# Altium PCB FOC500W.PcbDoc
Units mm, origin at the board's own origin, x right, y up, seen from the top; angles counter-clockwise.
Board outline 130 x 49.99 mm, 2 copper layers (Top Layer, Bottom Layer); 69 components, 52 nets, 249 pads, 220 vias.
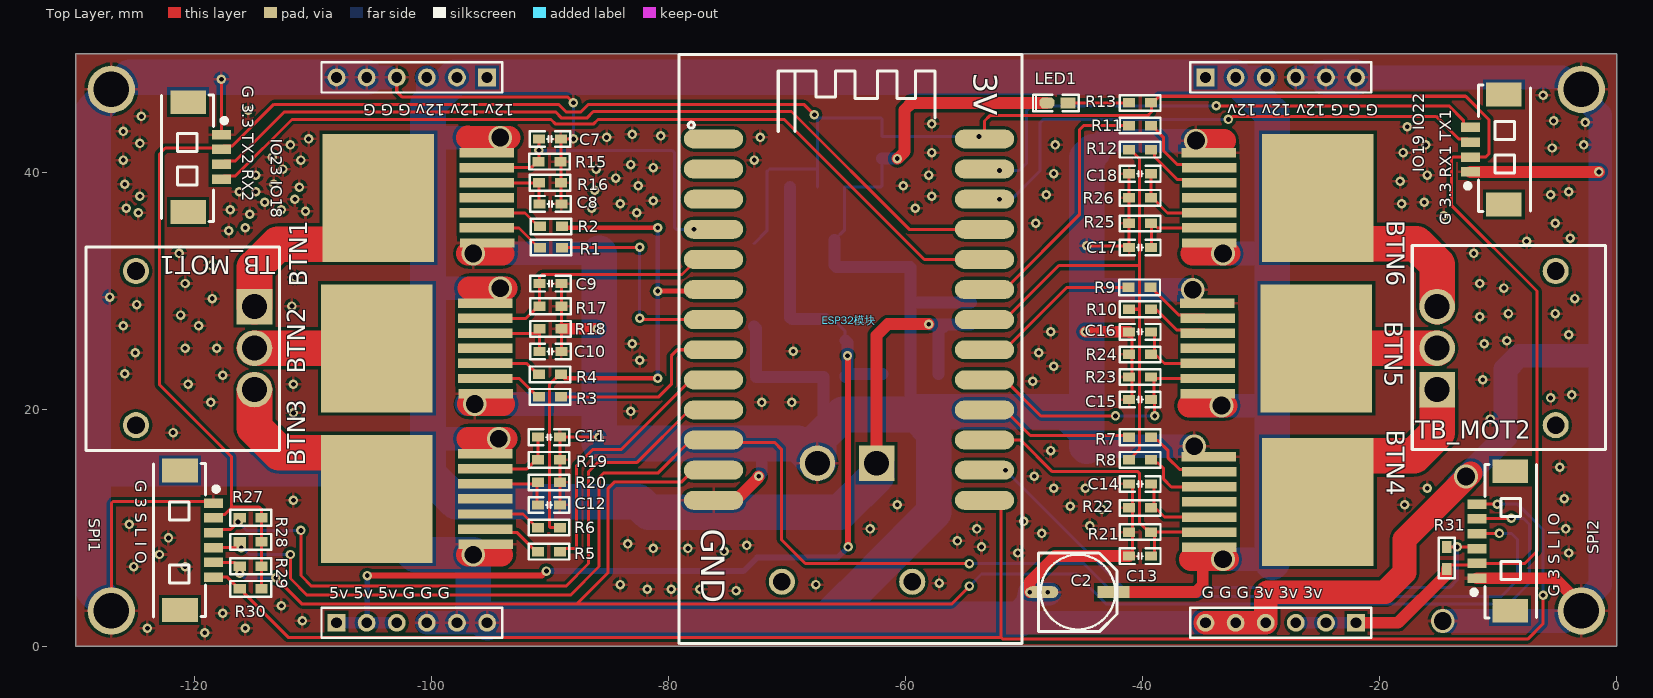
[diagram p0: Top Layer view]
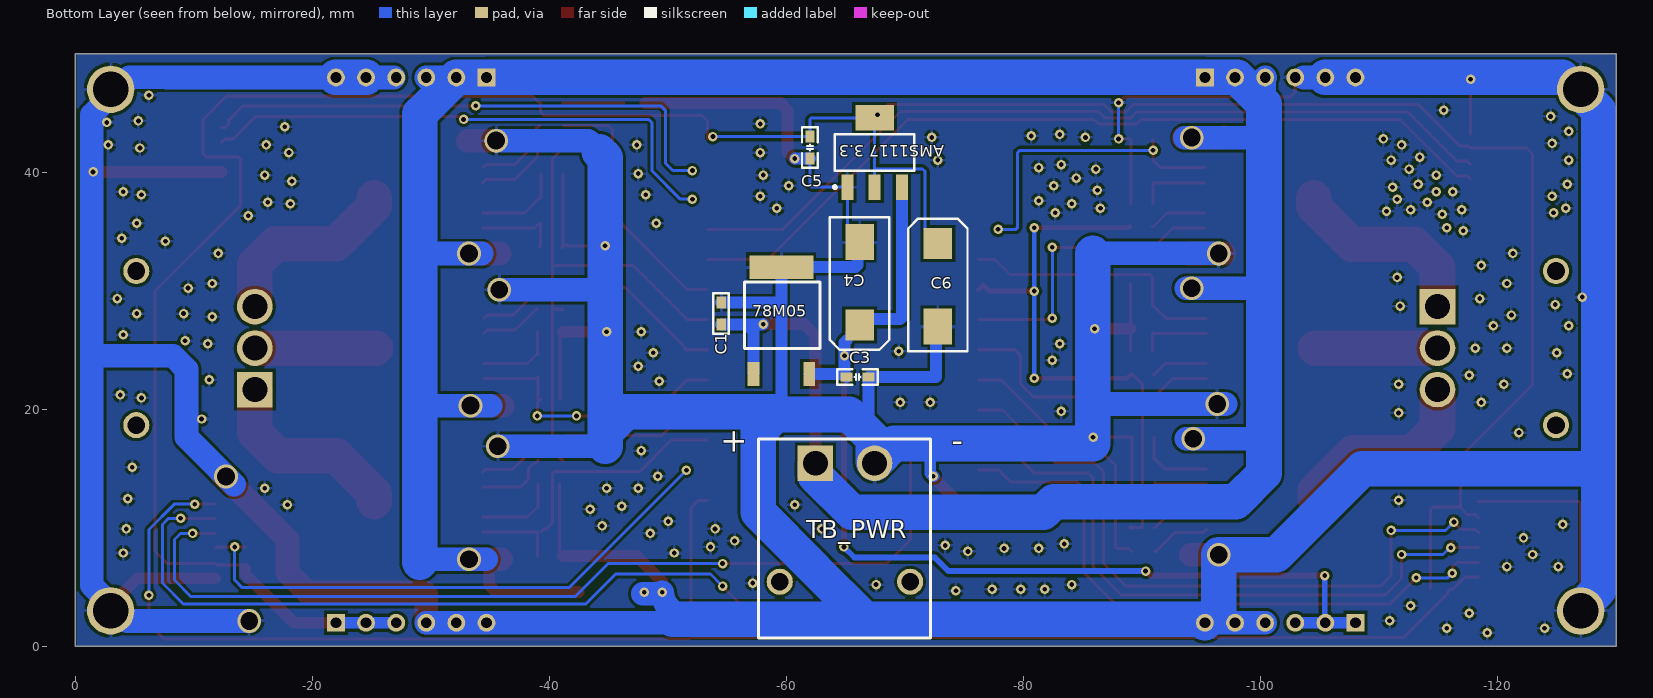
[diagram p1: Bottom Layer view, seen from below]

## Layer stack, top to bottom
Top Solder: solder mask 0.0102, Solder Resist, Dk 3.5
Top Layer: signal copper 0.0356
Dielectric 1: dielectric 0.32, FR-4, Dk 4.8
Bottom Layer: signal copper 0.0356
Bottom Solder: solder mask 0.0102, Solder Resist, Dk 3.5

## Board outline
-130,0 -130,49.987 0,49.987 0,49.911 0,0

## Design rules (kind name [scope] priority, off if disabled: settings)
Clearance [All] p1: gap=0.254 ignorepadtopadclearanceinfootprint=FALSE except(0: Arc-Hole Track-Hole SMDPad-Hole THPad-Hole Via-Hole Fill-Hole Poly-Hole Region-Hole Text-Hole)
PolygonConnect [All] p1: connectstyle=Relief reliefconductorwidth=0.254 reliefentries=4 polygonreliefangle="90 Angle" airgapwidth=0.254
RoutingVias [All] p1: holewidth=0.711 width=1.27 viastyle="Through Hole" minholewidth=0.711 minwidth=1.27 maxholewidth=0.711 maxwidth=1.27
SolderMaskExpansion [All] p1: expansion=0.102 istentingtop=FALSE
Width Width_1 [All] p1: maxlimit=3 minlimit=0.254 preferedwidth=0.254
30 further rules are at their usual default settings.

## Components (designator, comment, footprint, x,y, rotation, side; value= is the part's Value field where it differs from the comment)
"5v 5v 5v G G G" "Header 6" HDR1X6 -108,1.987 r0 top (schematic designator P4)
"12v 12v 12v G G G" "Header 6" HDR1X6 -95.3,47.987 r180 top (schematic designator P1)
78M05 "78M05" TO252 -57.228,22.974 r180 bottom
"AMS1117 3.3" "AMS1117 3.3" SOT223 -65.137,38.735 r90 bottom
BTN1 "BTN8982" BTN8982 -104.473,37.833 r180 top
BTN2 "BTN8982" BTN8982 -104.6,25.133 r180 top
BTN3 "BTN8982" BTN8982 -104.6,12.433 r180 top
BTN4 "BTN8982" BTN8982 -25.225,12.179 r0 top
BTN5 "BTN8982" BTN8982 -25.346,25.133 r0 top
BTN6 "BTN8982" BTN8982 -25.225,37.833 r0 top
C1 "104" "R 0603_M" -54.483,28.067 r270 bottom
C2 "100uF" "CM D(6.3*7.7)" -45.466,4.572 r0 top
C3 "104" "C 0603_M" -65.992,22.72 r0 bottom
C4 "100uF" C7343-D -66.167,30.607 r270 bottom
C5 "104" "C 0603_M" -61.976,42.075 r90 bottom
C6 "100uF" C7343-D -72.771,30.48 r90 bottom
C7 "Cap Semi" "C 0603_M" -89.995,42.786 r180 top value=1nF
C8 "Cap Semi" "C 0603_M" -89.957,37.325 r180 top value=100nF
C9 "Cap Semi" "C 0603_M" -89.957,30.594 r180 top value=1nF
C10 "Cap Semi" "C 0603_M" -89.957,24.879 r180 top value=100nF
C11 "Cap Semi" "C 0603_M" -90.084,17.64 r180 top value=1nF
C12 "Cap Semi" "C 0603_M" -90.084,11.925 r180 top value=100nF
C13 "Cap Semi" "C 0603_M" -40.211,7.607 r0 top value=1nF
C14 "Cap Semi" "C 0603_M" -40.211,13.703 r0 top value=100nF
C15 "Cap Semi" "C 0603_M" -40.211,20.815 r0 top value=1nF
C16 "Cap Semi" "C 0603_M" -40.211,26.53 r0 top value=100nF
C17 "Cap Semi" "C 0603_M" -40.211,33.642 r0 top value=1nF
C18 "Cap Semi" "C 0603_M" -40.211,39.865 r0 top value=100nF
ESP32模块 "ESP32" esp32 -76.2,42.799 r270 top
"G 3 S L I O" "MX1.25-6P" MX1.25WS-6P -121.206,8.943 r270 top (schematic designator SPI1)
"G 3.3 RX1 TX1" "MX1.25-4P" MX1.25WS-4P -9.525,41.91 r90 top (schematic designator CK1)
"G 3.3 TX2 RX2" "MX1.25-4P" MX1.25WS-4P -120.523,41.275 r270 top (schematic designator CK2)
"G G G 3v 3v 3v" "Header 6" HDR1X6 -22,1.987 r180 top (schematic designator P3)
"G G G 12v 12v 12v" "Header 6" HDR1X6 -34.7,47.987 r0 top (schematic designator P2)
LED1 "红色" "LED 0603R" -47.196,45.841 r180 top
R1 "Res3" "R 0603_M" -89.919,33.642 r180 top value=10k
R2 "Res3" "R 0603_M" -89.919,35.42 r180 top value=10k
R3 "Res3" "R 0603_M" -89.995,21.044 r180 top value=10k
R4 "Res3" "R 0603_M" -89.995,22.949 r180 top value=10k
R5 "Res3" "R 0603_M" -90.084,7.988 r0 top value=10k
R6 "Res3" "R 0603_M" -90.084,10.02 r180 top value=10k
R7 "Res3" "R 0603_M" -40.211,17.64 r0 top value=10k
R8 "Res3" "R 0603_M" -40.211,15.735 r0 top value=10k
R9 "Res3" "R 0603_M" -40.249,30.283 r0 top value=10k
R10 "Res3" "R 0603_M" -40.211,28.435 r0 top value=10k
R11 "Res3" "R 0603_M" -40.211,43.929 r180 top value=10k
R12 "Res3" "R 0603_M" -40.211,41.897 r0 top value=10k
R13 "1K" "R 0603_M" -40.211,45.834 r0 top
R15 "Res3" "R 0603_M" -90.033,40.881 r180 top value=1K
R16 "Res3" "R 0603_M" -89.995,39.103 r180 top value=0.51k
R17 "Res3" "R 0603_M" -89.957,28.689 r180 top value=1K
R18 "Res3" "R 0603_M" -89.957,26.784 r180 top value=0.51k
R19 "Res3" "R 0603_M" -90.084,15.735 r180 top value=1K
R20 "Res3" "R 0603_M" -90.084,13.83 r180 top value=0.51k
R21 "Res3" "R 0603_M" -40.211,9.639 r0 top value=1K
R22 "Res3" "R 0603_M" -40.211,11.671 r0 top value=0.51k
R23 "Res3" "R 0603_M" -40.211,22.72 r0 top value=1K
R24 "Res3" "R 0603_M" -40.211,24.625 r0 top value=0.51k
R25 "Res3" "R 0603_M" -40.211,35.674 r0 top value=1K
R26 "Res3" "R 0603_M" -40.211,37.833 r0 top value=0.51k
R27 "Res3" "R 0603_M" -115.237,10.848 r180 top value=3.3K
R28 "Res3" "R 0603_M" -115.237,8.816 r180 top value=3.3K
R29 "Res3" "R 0603_M" -115.237,6.759 r180 top value=3.3K
R30 "Res3" "R 0603_M" -115.237,4.854 r180 top value=3.3K
R31 "Res3" "R 0603_M" -14.351,7.455 r90 top value=3.3K
SPI2 "MX1.25-6P" MX1.25WS-6P -9,8.882 r90 top
TB_MOT1 "TB002-500-03BE" mr30pw-mz -114.92,25.156 r0 top
TB_MOT2 "TB002-500-03BE" mr30pw-mz -15.159,25.156 r180 top
TB_PWR "TB002-500-02BE" "pin2 mr30pw-mz" -67.437,15.448 r90 bottom

## Footprints (in the part's own frame and the unit in brackets; to place one, negate y for a bottom-side part, rotate by r counter-clockwise, add the part's x,y. Pads: shape width x height; smd on the part's side, far side on the other; paste and mask are expansions set on the pad)
BTN8982 [mm] "Infineon BTN8982TA"
  rect 4.6x0.8 smd: 1(-9.2,3.81) 2(-9.15,2.54) 3(-9.15,1.27) 4(-9.15,0) 5(-9.15,-1.27) 6(-9.15,-2.54) 7(-9.15,-3.81)
  rect 9.4x10.8 smd: 8(0,0)
  body extent -10.77,-4.97 4.18,5.03, height 4.4
C7343-D [mm]
  rect 2.6x2.4 smd: 1(3.5,0)
  rect 3x2.4 smd: 2(-3.5,0)
  silkscreen extent -5.6,-2.5 5.6,2.5, body extent -3.8,-2.3 3.8,2.3, height 3.1
"C 0603_M" [mil] "无极性贴片电容"
  rect 40x30 smd: 1(-36.5,0) 2(36.5,0)
  silkscreen extent -68,-26 67,26, body extent -31,-16 31,16, height 32
"CM D(6.3*7.7)" [mm] "贴片电解电容，直径6.3mm，高7.7mm"
  rect 2.7x1 smd: 1(3,0)
  oval 2.7x1 smd: 2(-3,0)
  silkscreen extent -3.3,-3.3 3.3,3.3, body extent -3.5,-3.3 3.5,3.3, height 7.7
esp32 [mm]
  oval 1.6x5 smd: 1(0,0) 2(2.54,0) 3(5.08,0) 4(7.62,0) 5(10.16,0) 6(12.7,0) 7(15.24,0) 8(17.78,0) 9(20.32,0) 10(22.86,0) 11(25.4,0) 12(27.94,0) 13(30.48,0) 14(0,22.86) 15(2.54,22.86) 16(5.08,22.86) 17(7.62,22.86) 18(10.16,22.86) 19(12.7,22.86) 20(15.24,22.86) 21(17.78,22.86) 22(20.32,22.86) 23(22.86,22.86) 24(25.4,22.86) 25(27.94,22.86) 26(30.48,22.86)
  silkscreen extent -7.11,-2.92 42.55,26.04, body extent -7.11,-2.92 42.55,26.04, height 7.55
HDR1X6 [mm] "Connector; Header; 6 Position"
  rect 1.5x1.5 hole 0.9: 1(0,0)
  round 1.5 hole 0.9: 2(2.54,0) 3(5.08,0) 4(7.62,0) 5(10.16,0) 6(12.7,0)
  silkscreen extent -1.27,-1.27 13.97,1.27
"LED 0603R" [mil] "红色0603LED"
  rect 50x35 smd: 1(-35,0.26)
  oct 50x35 smd: 2(35,0.26)
  silkscreen extent -71,-28 81,28, body extent -31,-16 31,16, height 24
mr30pw-mz [mm]
  round 2.2 hole 1.5: 0(-10,-6.5) 0(-10,6.5)
  rect 3x3 hole 2.1: 1(0,3.5)
  round 3 hole 2.1: 2(0,0) 3(0,-3.5)
  silkscreen extent -14.2,-8.65 2.1,8.55, body extent -13.59,-8.01 0.9,8.01, height 5.2
MX1.25WS-4P [mm]
  rect 2x3 smd: 0(-4.632,0) 0(4.632,0)
  rect 0.8x1.6 smd: 1(-1.889,2.811) 2(-0.639,2.811) 3(0.611,2.811) 4(1.861,2.811)
  silkscreen extent -5.23,-2.23 5.45,3.25, body extent -5.15,-1.96 5,3.23, height 3.4
MX1.25WS-6P [mm]
  rect 2x3 smd: 0(-5.882,0) 0(5.882,0)
  rect 0.8x1.6 smd: 1(-3.139,2.811) 2(-1.889,2.811) 3(-0.639,2.811) 4(0.611,2.811) 5(1.861,2.811) 6(3.111,2.811)
  silkscreen extent -6.48,-2.23 6.45,3.25, body extent -6.25,-2.21 6.4,2.98, height 3.4
"pin2 mr30pw-mz" [mm]
  round 2.2 hole 1.5: 0(-10,-3) 0(-10,8)
  rect 3x3 hole 2.1: 1(0,5)
  round 3 hole 2.1: 2(0,0)
  silkscreen extent -14.73,-4.7 2.03,9.78, body extent -14,-4.11 1.01,9.19, height 5.1
"R 0603_M" [mil] "1/10W贴片电阻"
  rect 40x31.5 smd: 1(-36.5,0) 2(36.5,0)
  silkscreen extent -68,-26 67,26, body extent -31,-16 31,16, height 16
SOT223 [mm]
  rect 2.15x1 smd: 1(0,0) 2(0,-2.3) 3(0,-4.6)
  rect 2.15x3.25 smd: 2(5.85,-2.3)
  silkscreen extent -0.12,-5.65 4.47,1.18, body extent -0.56,-5.54 6.4,0.96, height 1.7
TO252 [mm]
  rect 1x2 smd: 1(0,0) 3(4.7,0)
  rect 5.4x2 smd: 2(2.35,9)
  silkscreen extent -0.76,2.16 5.59,7.75, body extent -0.88,-0.39 5.7,9.31, height 2.4

## Part data
"5v 5v 5v G G G" "12v 12v 12v G G G" "G G G 3v 3v 3v" "G G G 12v 12v 12v": "Header, 6-Pin", LatestRevisionDate=17-Jul-2002, LatestRevisionNote="Re-released for DXP Platform.", Publisher="Altium Limited"
78M05: library part 78Mxx, "线性稳压芯片", BOM名称=线性稳压芯片, 版权归属=源创客, 学习资源=www.ooocke.com
"AMS1117 3.3": library part LM317, "可调线性稳压芯片", BOM名称=可调线性稳压芯片, 版权归属=源创客, 学习资源=www.ooocke.com
C1 C3 C5: library part C, "无极性贴片电容", BOM名称=无极性贴片电容, 版权归属=源创客, 材质=X7R, 学习资源=www.ooocke.com
C2: library part C-CT, "贴片固态电容", BOM名称=贴片固态电容, 版权归属=源创客, 学习资源=www.ooocke.com
C4 C6: library part C-CD, "贴片钽电容", BOM名称=贴片钽电容, 版权归属=源创客, 学习资源=www.ooocke.com
C7 C8 C9 C10 C11 C12 C13 C14 C15 C16 C17 C18: "Capacitor (Semiconductor SIM Model)", LatestRevisionDate=29-May-2009, LatestRevisionNote="IPC-7351 Footprint Added.", PackageDescription="Chip Capacitor", Published=8-Jun-2000, Publisher="Altium Limited"
  C7 C9 C11 C13 C15 C17: PackageReference=C0603
  C8 C10 C12 C14 C16 C18: PackageReference=C1206
LED1: library part LED-F234, "方形LED", BOM名称=方形LED, 版权归属=源创客, 学习资源=www.ooocke.com
R1 R2 R3 R4 R5 R6 R7 R8 R9 R10 R11 R12 R15 R16 R17 R18 R19 R20 R21 R22 R23 R24 R25 R26 R27 R28 R29 R30 R31: "Resistor", LatestRevisionDate=29-May-2009, LatestRevisionNote="IPC-7351 Footprint Added.", PackageDescription="Chip Resistor", PackageReference=J1-0603, Published=8-Jun-2000, Publisher="Altium Limited"
R13: library part R, "贴片电阻", BOM名称=贴片电阻, 版权归属=源创客, 学习资源=www.ooocke.com
TB_MOT1 TB_MOT2: Supplier Part Number 1=490-TB002-500-03BE, Supplier 1=Mouser
TB_PWR: Supplier Part Number 1=490-TB002-500-02BE, Supplier 1=Mouser
BTN1 BTN2 BTN3 BTN4 BTN5 BTN6: Supplier 1=RSComponents

## Free pads (board coordinates)
  round 4 hole 3: 9(-127,2.987) 9(-127,46.987) 9(-3,3) 9(-3,46.987)

## Via types
v1: diameter 0.8, hole 0.4, Top Layer to Bottom Layer, 206 vias
v2: diameter 2, hole 1.5, Top Layer to Bottom Layer, 14 vias

## Nets (pads, with @x,y where several pads share a name; then routed paths per layer and width w, separated by ;. In a path a pad name is that pad's centre, name@x,y a point inside that pad or via, vN(x,y) a via of type N, cw(c..) or ccw(c..) an arc to the next point about the centre after c; other vN are vias at no path point)
3.3V: "AMS1117 3.3.2" "G 3 S L I O.2" "G 3.3 RX1 TX1.2" "G 3.3 TX2 RX2.2" "G G G 3v 3v 3v.1" "G G G 3v 3v 3v.2" "G G G 3v 3v 3v.3" C5.2 C6.1 ESP32模块.14 R13.2 R27.1 R28.1 R29.1 R30.1 R31.1 SPI2.2 | length 245
  Top Layer w0.254: -118.395,10.832 -118.122,11.105 -117.454,11.105 -116.809,11.75 -114.523,11.75 -114.31,11.537 R27.1 R28.1 R29.1 R30.1 ; -116.841,11.718 -116.841,15.971 -122.936,22.066 -122.936,41.529 -122.437,42.028 -117.712,42.028 -117.553,42.187 -116.817,42.187 -113.284,45.72 -89.281,45.72 -88.627,45.066 -87.395,45.066 -86.741,45.72 -68.58,45.72 v1(-67.691,44.831) ; ESP32模块.14 -53.34,44.32 -52.894,44.766 -39.562,44.766 -39.246,45.082 R13.2@-39.246,45.834 ; R13.2 R13.2@-39.246,45.834 ; R31.1@-14.351,6.585 -14.078,6.858 -11.946,6.858 SPI2.2 -7.761,6.993 -6.731,8.023 -6.731,29.972 -13.966,37.207 -13.966,41.122 -13.817,41.271 -12.336,41.271 -11.053,41.271 -10.795,41.529 -10.795,44.45 -12.747,46.402 -38.608,46.402 -39.176,45.834 R13.2@-39.246,45.834
  Top Layer w1: -22,1.987 -18.46,1.987 -14.351,6.096 R31.1
  Bottom Layer w0.254: C6.1 -71.698,35.053 -71.698,40.04 -71.479,40.259 -67.437,40.259 ; -67.437,38.735 -67.437,40.259 ; v1(-53.797,43.002) C5.2 -61.976,44.436 -62.125,44.585 -67.437,44.585 -67.437,40.259
  Bottom Layer w1: -27.08,1.987 -24.54,1.987 -22,1.987
+5: 78M05.3 "5v 5v 5v G G G.1" "5v 5v 5v G G G.2" "5v 5v 5v G G G.3" "AMS1117 3.3.3" C3.2 C4.1 | length 89.2
  Top Layer w0.5: v1(-105.41,5.969) -90.678,5.969 v1(-90.297,6.35) ; v1(-64.848,8.382) v1@-64.848,24.511
  Bottom Layer w0.254: -69.737,27.75 -69.588,27.601 ; C4.1@-66.773,27.601 C4.1@-66.704,27.671 ; C4.1@-65.992,27.475 -65.094,26.577 -65.094,25.814 -65.065,25.785
  Bottom Layer w0.5: -105.41,2.037 v1(-105.41,5.969) ; v1(-90.297,6.35) -73.66,6.35 -72.517,7.493 -65.737,7.493 v1(-64.848,8.382)
  Bottom Layer w1: -108,1.987 -105.46,1.987 ; -105.41,2.037 -105.46,1.987 ; -102.92,2.122 -102.92,1.987 -105.46,1.987 ; -69.737,27.75 -69.737,38.735 ; -69.588,27.601 C4.1@-66.773,27.601 ; C3.2 -65.065,22.831 -64.897,22.999 v1(-64.897,24.511) -64.897,25.617 -65.065,25.785 ; C3.2@-64.811,22.974 78M05.3
A0: BTN1.6 C7.2 ESP32模块.4 R15.2 | length 26
  Top Layer w0.254: BTN1.6 -91.576,40.373 -91.068,40.881 R15.2 -90.922,40.919 v1(-90.922,41.853) C7.2
  Bottom Layer w0.254: v1(-90.922,41.853) -90.914,41.844 -79.69,41.844 -79.502,41.656 -79.502,35.328 -79.353,35.179 v1(-77.851,35.179)
A1: BTN2.6 C9.2 ESP32模块.5 R17.2 | length 22.7
  Top Layer w0.254: BTN2.6 -92.008,27.673 -90.992,28.689 R17.2 C9.2 -90.884,31.141 -90.656,31.369 -78.867,31.369 -77.597,32.639 ESP32模块.5
A2: BTN4.6 C13.2 ESP32模块.24 R21.2 | length 26.4
  Top Layer w0.254: ESP32模块.24 -50.292,17.399 -47.625,14.732 -40.408,14.732 -40.249,14.573 -40.249,10.404 -39.757,9.912 -39.557,9.912 R21.2 ; C13.2@-38.992,7.607 -38.992,9.639 BTN4.6
A3: BTN5.6 C15.2 ESP32模块.22 R23.2 | length 23.6
  Top Layer w0.254: ESP32模块.22 -51.64,22.479 -48.592,19.431 v1(-42.291,19.431) ; C15.2 -39.243,20.815 -38.989,20.561 v1(-38.989,19.431) ; C15.2@-39.03,20.815 -39.03,22.72 -38.903,22.593 BTN5.6
  Bottom Layer w0.254: v1(-42.291,19.431) v1(-38.989,19.431)
GND: 78M05.2 "5v 5v 5v G G G.4" "5v 5v 5v G G G.5" "5v 5v 5v G G G.6" "12v 12v 12v G G G.4" "12v 12v 12v G G G.5" "12v 12v 12v G G G.6" "AMS1117 3.3.1" "G 3 S L I O.1" "G 3.3 RX1 TX1.1" "G 3.3 TX2 RX2.1" "G G G 3v 3v 3v.4" "G G G 3v 3v 3v.5" "G G G 3v 3v 3v.6" "G G G 12v 12v 12v.4" "G G G 12v 12v 12v.5" "G G G 12v 12v 12v.6" BTN1.1 BTN2.1 BTN3.1 BTN4.1 BTN5.1 BTN6.1 C1.1 C2.2 C3.1 C4.2 C5.1 C6.2 C7.1 C8.1 C9.1 C10.1 C11.1 C12.1 C13.1 C14.1 C15.1 C16.1 C17.1 C18.1 ESP32模块.13 LED1.2 pad.9 R15.1 R16.1 R17.1 R18.1 R19.1 R20.1 R21.1 R22.1 R23.1 R24.1 R25.1 R26.1 SPI2.1 TB_PWR.2 | length 682.9
  Top Layer w0.254: pad.9@-127,2.987 -127,12.06 -126.851,12.209 -118.333,12.209 ; -117.712,43.164 v1(-117.712,47.83) ; -102.92,47.987 -102.92,46.786 -102.489,46.355 -88.519,46.355 v1(-88.011,45.847) ; C12.1@-89.195,11.925 -89.157,11.963 R20.1 R19.1 C11.1 v1(-85.865,17.64) ; C10.1 R18.1 R17.1 C9.1 ; C8.1 -89.068,37.363 C7.1 -89.081,42.799 v1(-88.011,42.799) ; v1(-44.704,33.782) -41.532,33.782 -41.405,33.909 C17.1 -41.011,33.642 -41.138,33.769 R26.1@-41.138,37.719 ; R26.1 R26.1@-41.138,37.719 ; C18.1 R26.1@-41.138,37.719 ; C14.1@-40.884,13.703 -40.846,13.665 -40.846,11.671 C13.1@-40.846,7.607 ; C15.1@-40.884,20.815 C16.1@-40.884,26.492 ; -33.147,42.659 -32.525,42.659
  Top Layer w1: R18.1 v1(-85.992,26.784) ; ESP32模块.13 -74.338,12.319 -72.39,14.267 v1(-72.39,14.351) ; TB_PWR.2@-67.437,15.144 TB_PWR.2 ; v1(-60.706,41.148) -60.67,41.148 -60.084,41.734 -60.084,45.248 -59.498,45.834 LED1.2 ; v1(-49.53,4.572) -49.53,5.461 -47.384,7.607 C13.1 ; v1(-44.831,26.543) -41.151,26.543 C16.1 ; -12.336,40.021 v1(-1.508,40.021) ; SPI2.1 -5.235,5.743 -3,3.508 pad.9@-3,3
  Top Layer w2: v2@-96.901,7.734 v2(-96.472,7.734) -94.107,7.734 ; v2@-96.901,33.134 v2(-96.472,33.134) -93.993,33.134 ; v2@-96.853,20.434 v2(-96.345,20.434) -93.932,20.434 ; v2(-35.512,42.659) -33.147,42.659 ; -34.7,1.987 -32.16,1.987 -29.62,1.987 -29.62,4.416 -29.464,4.572 -19.558,4.572 -17.907,6.223 -17.907,9.017 v2@-12.319,14.605
  Bottom Layer w0.254: v1(-88.011,42.799) v1(-88.011,45.847) ; C4.2 -65.992,34.282 -65.137,35.137 -65.137,38.735 -62.125,38.735 -61.976,38.884 C5.1 ; -65.992,32.153 -65.843,32.004 ; 78M05.2@-59.608,32.004 78M05.2 ; v1(-17.675,43.837) v1@-17.653,43.859
  Bottom Layer w1: C6.2 -72.622,26.831 -72.622,22.72 C3.1 -66.919,17.917 ; v1(-72.39,14.351) -72.136,14.605 -72.136,17.111 ; -65.992,32.153 C4.2@-65.992,34.282 ; -65.843,32.004 78M05.2@-59.608,32.004 ; C5.1 v1(-60.706,41.148) ; 78M05.2 -59.578,28.956 ; -59.367,19.799 -59.578,20.01 -59.578,28.956 ; C1.1 -59.54,28.994 -59.578,28.956
  Bottom Layer w2: -105.46,47.987 -103.634,47.987 ; -100.38,1.987 -97.84,1.987 -96.472,1.987 ; v2@-97.028,20.434 v2(-96.345,20.434) -86.152,20.434 -86.025,20.561 ; v2(-96.472,33.134) -96.459,33.147 -85.852,33.147 ; -51.069,2.273 -50.116,3.226 ccw(c-51.529,4.641) v1(-49.53,4.572) ; -50.398,2.273 -50.112,1.987 -34.7,1.987 -32.16,1.987 -29.62,1.987 ; -49.149,4.445 -49.146,4.445 v1@-47.879,4.445 ; -44.704,16.878 v2(-35.639,16.878) ; -44.704,30.086 v2(-35.766,30.086) ; -44.196,41.722 -43.259,42.659 v2(-35.512,42.659) ; -26.866,47.987 -24.54,47.987 ; -22,47.987 -7.747,47.987 -7.728,48.006 -4.56,48.006 -3.541,46.987 -3,46.987 -3,46.446 -1.397,44.843 -1.397,24.511 ; v2(-14.684,2.146) -4.395,2.146 -1.397,5.144 -1.397,24.511 ; v2@-13.399,13.652 -9.398,17.653 -9.398,23.368 -8.255,24.511 -1.397,24.511
  Bottom Layer w3: pad.9@-127,2.987 -127,3.258 -128.524,4.782 -128.524,14.986 ; pad.9@-127,46.987 -127,46.716 -128.524,45.192 -128.524,14.986 ; pad.9@-125.459,47.987 -108,47.987 -105.46,47.987 ; -95.3,1.987 -96.472,3.159 v2(-96.472,7.734) -101.333,7.734 -108.585,14.986 -128.524,14.986 ; -94.694,2.273 -66.627,2.273 ; -85.852,30.395 -85.852,17.111 -72.136,17.111 -69.1,17.111 TB_PWR.2 -67.31,15.575 -67.31,17.526 -66.919,17.917 -65.278,19.558 -59.126,19.558 ; -85.852,30.509 -85.852,33.147 ; -50.398,2.273 -51.069,2.273 -66.627,2.273 ; -44.704,16.878 -44.704,18.042 ; -44.196,41.722 -44.704,41.214 v1(-44.704,33.782) -44.704,30.086 -44.704,18.042 ; -24.54,47.987 -22,47.987 ; -66.627,2.273 -62.291,6.609 -62.291,6.63 -57.61,11.311 -57.61,18.042 -59.126,19.558 ; -59.126,19.558 -59.367,19.799 -46.461,19.799 -44.704,18.042
  other v1: -119.126,1.143 -123.952,1.524 -115.697,1.524 -110.871,2.159 -117.602,2.794 -112.649,3.429 -48.006,4.572 -74.295,4.699 -81.788,4.826 -79.756,4.826 -77.343,4.826 -84.074,5.207 -67.564,5.207 -57.15,5.334 -125.095,6.731 -120.777,6.731 -122.936,7.747 -50.546,7.874 -4.064,7.874 -75.311,8.001 -81.28,8.255 -78.359,8.255 -53.594,8.382 -73.406,8.509 -83.439,8.636 -55.626,8.89 -122.174,9.144 -48.514,9.525 -62.992,9.906 -53.975,9.906 -4.318,9.906 -44.45,10.16 -125.476,10.287 -50.038,10.541 -43.434,11.557 -46.101,11.811 -60.706,11.938 -17.907,11.938 -111.633,12.319 -4.445,12.446 -47.498,13.335 -44.831,13.335 -16.002,13.335 -49.149,14.351 -4.826,15.113 -47.752,16.51 -121.793,18.034 -10.668,19.177 -111.633,19.685 -83.185,19.812 -118.618,20.574 -72.136,20.574 -69.596,20.574 -5.588,20.955 -3.81,21.209 -120.523,22.098 -111.633,22.098 -49.276,22.352 -11.303,22.479 -117.602,22.86 -125.857,22.987 -47.498,23.622 -82.423,24.13 -124.968,24.765 -48.768,24.765 -69.469,24.892 -120.777,25.146 -118.11,25.146 -83.058,25.527 -11.176,25.527 -9.271,25.781 -4.064,26.289 -47.752,26.543 -125.984,27.051 -119.634,27.051 -11.557,27.813 -121.158,27.94 -9.144,28.067 -5.207,28.067 -111.76,28.702 -124.841,28.829 -118.491,29.337 -3.556,29.337 -127.127,29.464 -9.525,30.226 -120.777,30.607 -11.557,30.607 -111.506,31.115 -118.618,32.131 -121.285,33.147 -12.065,33.147 -7.62,34.163 -3.937,34.417 -117.094,35.052 -115.697,35.306 -49.022,35.687 -5.207,35.687 -14.605,36.322 -115.316,36.449 -124.714,36.576 -82.677,36.576 -110.617,36.703 -116.967,36.83 -112.649,36.83 -125.73,36.957 -86.487,36.957 -59.182,36.957 -84.074,37.338 -18.161,37.338 -114.046,37.465 -16.256,37.465 -81.28,37.592 -111.506,37.719 -124.587,37.973 -57.785,37.973 -48.133,38.1 -5.588,38.1 -116.205,38.354 -114.808,38.354 -4.064,38.354 -86.233,38.481 -111.125,38.735 -82.55,38.862 -60.198,38.862 -125.857,38.989 -113.284,38.989 -18.288,39.243 -84.455,39.497 -114.808,39.751 -58.039,39.751 -16.002,39.751 -47.498,39.878 -112.522,40.259 -86.106,40.259 -81.28,40.386 -83.185,40.64 -125.984,41.021 -110.998,41.021 -72.771,41.021 -113.411,41.275 -57.785,41.656 -18.034,41.656 -5.461,42.037 -111.887,42.291 -47.371,42.291 -16.129,42.291 -2.794,42.291 -124.587,42.418 -110.363,42.799 -85.217,42.926 -72.263,42.926 -80.645,43.053 -83.058,43.18 -125.984,43.434 -57.785,44.069 -2.667,44.196 -5.334,44.323 -124.46,44.704 -115.443,45.212 -6.223,46.482
  other v2: -12.731,14.328
M1in1: ESP32模块.7 R1.1 | length 19.1
  Top Layer w0.254: R1.1 v1@-82.182,33.642 ; v1(-82.423,27.686) -82.296,27.559 ESP32模块.7
  Bottom Layer w0.254: v1(-82.423,27.686) v1(-82.423,33.655)
M1in2: ESP32模块.8 R3.1 | length 15.9
  Top Layer w0.254: R3.1 -80.81,21.044 -79.756,22.098 -79.756,24.511 -79.248,25.019 ESP32模块.8
M1in3: ESP32模块.9 R5.2 | length 23
  Top Layer w0.254: R5.2 -88.884,8.261 -87.9,8.261 -87.751,8.41 -87.751,15.246 -86.372,16.625 -83.959,16.625 -78.105,22.479 ESP32模块.9
M1inh: ESP32模块.6 R2.1 R4.1 R6.1 | length 49.3
  Top Layer w0.254: R6.1 -89.973,10.02 -90.046,10.093 -90.046,19.739 -90.026,19.758 -90.026,22.098 -89.176,22.949 R4.1
  Top Layer w0.4: R6.1 R6.1@-89.049,10.02 ; R4.1 -88.725,22.606 v1(-80.899,22.606) ; R2.1 -88.878,35.306 v1(-80.899,35.306) ; v1(-80.899,29.972) -77.089,29.972 -76.581,30.48 ESP32模块.6
  Bottom Layer w0.4: v1(-80.899,22.606) -80.899,30.353 v1(-80.899,29.972) v1(-80.899,35.306)
M1out1: BTN1.8 TB_MOT1.1 | length 16.6
  Top Layer w3: TB_MOT1.1 -114.92,31.958 -112.945,33.933 -107.673,33.933 -104.473,37.133 BTN1.8
M1out2: BTN2.8 TB_MOT1.2 | length 10.3
  Top Layer w3: TB_MOT1.2 -104.623,25.156 BTN2.8
M1out3: BTN3.8 TB_MOT1.3 | length 16.4
  Top Layer w3: TB_MOT1.3 -114.92,18.435 -112.818,16.333 -107.8,16.333 -104.6,13.133 BTN3.8
M2in1: ESP32模块.23 R7.1 | length 13
  Top Layer w0.254: ESP32模块.23 -51.64,19.939 -49.481,17.78 -41.386,17.78 R7.1@-41.246,17.64
M2in2: ESP32模块.21 R9.1 | length 14.5
  Top Layer w0.254: ESP32模块.21 -51.435,25.019 -51.435,25.224 -46.376,30.283 R9.1
M2in3: ESP32模块.19 R11.2 | length 22.1
  Top Layer w0.254: ESP32模块.19 -51.64,30.099 -45.339,36.4 -45.339,43.561 -44.971,43.929 R11.2
M2inh: ESP32模块.20 R8.1 R10.1 R12.1 | length 42.9
  Top Layer w0.254: ESP32模块.20 -51.562,27.559 -51.562,27.637 -47.068,32.131 -40.249,32.131 ; R8.1 -41.03,15.735 -40.757,16.008 -40.757,16.116 -40.598,16.275 -40.598,16.291 -40.249,16.64 -40.249,28.435 ; R10.1 -40.249,28.435 ; R12.1 -41.03,41.897 -40.259,41.126 -40.259,40.414 -40.249,40.404 -40.249,32.131 ; -40.249,28.435 -40.249,32.131
M2out1: BTN4.8 TB_MOT2.1 | length 16.5
  Top Layer w3: BTN4.8 -25.225,12.879 -22.025,16.079 -17.113,16.079 -15.159,18.033 TB_MOT2.1
M2out2: BTN5.8 TB_MOT2.2 | length 10.2
  Top Layer w3: BTN5.8 -25.323,25.156 TB_MOT2.2
M2out3: BTN6.8 TB_MOT2.3 | length 16.3
  Top Layer w3: BTN6.8 -25.225,37.169 -22.025,33.969 -16.916,33.969 -15.159,32.212 TB_MOT2.3
MISO: "G 3 S L I O.5" ESP32模块.12 R29.2 SPI2.5 | length 145.8
  Top Layer w0.254: -118.395,7.082 -116.595,7.082 -116.272,6.759 R29.2 -116.174,6.749 v1(-116.174,6.162) ; v1(-113.126,5.781) -110.901,3.556 -87.757,3.556 ; ESP32模块.12 -77.9,14.859 -78.916,13.843 -84.582,13.843 -85.09,13.335 -85.09,6.223 -87.757,3.556 ; v1(-54.61,5.08) -56.134,3.556 -87.757,3.556 ; SPI2.5 -11.759,10.795 v1(-8.89,10.795)
  Bottom Layer w0.254: v1(-116.174,6.162) -115.793,5.781 v1(-113.126,5.781) ; v1(-54.61,5.08) -54.483,5.08 -54.483,5.207 -53.594,6.096 -45.593,6.096 -43.053,3.556 -9.144,3.556 -7.366,5.334 -7.366,10.287 -7.874,10.795 v1(-8.89,10.795)
MOSI: "G 3 S L I O.6" ESP32模块.26 R30.2 SPI2.6 | length 142
  Top Layer w0.254: -118.395,5.832 -117.214,5.832 -116.545,5.162 -116.545,5.127 -116.272,4.854 R30.2 -116.056,4.854 -115.783,4.581 -115.783,4.473 -112.072,0.762 -51.943,0.762 ; ESP32模块.26 -52.565,12.319 -51.943,11.697 -51.943,0.762 ; SPI2.6 v1(-10.088,11.993) ; v1(-6.223,4.318) -6.223,1.905 -7.522,0.606 -51.787,0.606 -51.943,0.762
  Bottom Layer w0.254: v1(-10.088,11.993) -8.354,11.993 -6.223,9.862 v1(-6.223,4.318)
NetBTN1_2: BTN1.2 R1.2 | length 5.2
  Top Layer w0.254: BTN1.2 -92.605,35.293 -90.954,33.642 R1.2
NetBTN1_3: BTN1.3 R2.2 | length 5
  Top Layer w0.254: BTN1.3 -92.097,36.563 -90.954,35.42 R2.2
NetBTN1_5: BTN1.5 C8.2 R16.2 | length 6.2
  Top Layer w0.254: BTN1.5 R16.2 -90.922,37.363 C8.2
NetBTN2_2: BTN2.2 R3.2 | length 5.2
  Top Layer w0.254: BTN2.2 -92.579,22.593 -91.03,21.044 R3.2
NetBTN2_3: BTN2.3 R4.2 | length 4.9
  Top Layer w0.254: BTN2.3 -91.944,23.863 -91.03,22.949 R4.2
NetBTN2_5: BTN2.5 C10.2 R18.2 | length 6.1
  Top Layer w0.254: BTN2.5 -90.897,26.403 -90.884,26.416 C10.2
NetBTN3_2: BTN3.2 R5.1 | length 5.2
  Top Layer w0.254: BTN3.2 -95.177,9.62 -92.789,9.62 -91.157,7.988 R5.1@-91.049,7.988
NetBTN3_3: BTN3.3 R6.2 | length 4.9
  Top Layer w0.254: BTN3.3 -92.262,11.163 -91.119,10.02 R6.2
NetBTN3_5: BTN3.5 C12.2 R20.2 | length 6.3
  Top Layer w0.254: BTN3.5 -91.214,13.703 -91.087,13.83 -91.087,11.963 C12.2@-91.049,11.925
NetBTN3_6: BTN3.6 C11.2 R19.2 | length 6.6
  Top Layer w0.254: BTN3.6 -91.919,14.973 -91.157,15.735 -91.049,15.735 -91.011,15.773 C11.2
NetBTN4_2: BTN4.2 R7.2 | length 6.2
  Top Layer w0.254: R7.2@-39.03,17.494 -38.903,17.367 -38.703,17.367 -37.846,16.51 -37.846,15.875 -36.898,14.927 -34.583,14.927 BTN4.2
NetBTN4_3: BTN4.3 R8.2 | length 6.2
  Top Layer w0.254: R8.2@-39.03,15.735 -39.03,15.589 -38.903,15.462 -38.703,15.462 -38.227,14.986 -38.227,14.097 -37.579,13.449 BTN4.3
NetBTN4_5: BTN4.5 C14.2 R22.2 | length 7
  Top Layer w0.254: C14.2@-39.03,13.703 -39.03,11.671 -38.922,11.671 -38.16,10.909 BTN4.5
NetBTN5_2: BTN5.2 R9.2 | length 6
  Top Layer w0.254: R9.2 -39.214,30.283 -38.941,30.01 -38.941,29.924 -36.963,27.946 -34.769,27.946 BTN5.2
NetBTN5_3: BTN5.3 R10.2 | length 5.3
  Top Layer w0.254: R10.2@-38.992,28.435 -38.884,28.435 -37.125,26.676 -34.769,26.676 BTN5.3
NetBTN5_5: BTN5.5 C16.2 R24.2 | length 6.8
  Top Layer w0.254: C16.2@-38.992,26.53 -38.992,24.663 -39.03,24.625 -38.922,24.625 -38.16,23.863 BTN5.5
NetBTN6_2: BTN6.2 R11.1 | length 7.1
  Top Layer w0.254: R11.1@-39.246,43.929 -39.138,43.929 -38.865,43.656 -38.865,43.548 -38.227,42.91 -38.227,41.783 -37.09,40.646 -34.648,40.646 BTN6.2
NetBTN6_3: BTN6.3 R12.2 | length 6.2
  Top Layer w0.254: R12.2@-39.246,41.897 -38.989,41.64 -38.989,41.275 -37.09,39.376 -34.648,39.376 BTN6.3
NetBTN6_5: BTN6.5 C18.2 R26.2 | length 7.5
  Top Layer w0.254: C18.2 R26.2 -39.176,37.833 -37.906,36.563 BTN6.5
NetBTN6_6: BTN6.6 C17.2 R25.2 | length 7.1
  Top Layer w0.254: C17.2@-39.157,33.642 -39.246,33.731 -39.246,35.674 -39.138,35.674 -38.757,35.293 BTN6.6
NetLED1_1: LED1.1 R13.1 | length 5.2
  Top Layer w0.254: LED1.1 R13.1@-41.1,45.834
RX1: "G 3.3 RX1 TX1.3" ESP32模块.16 | length 45.9
  Top Layer w0.254: v1(-32.766,44.45) -32.618,44.45 -32.364,44.704 -15.24,44.704 -13.312,42.776 -12.59,42.776 -12.336,42.521
  Bottom Layer w0.254: v1(-52.07,37.719) -51.054,37.719 -48.641,40.132 -48.641,44.196 -48.387,44.45 v1(-32.766,44.45)
RX2: "G 3.3 TX2 RX2.4" ESP32模块.18 | length 71.7
  Top Layer w0.254: -117.712,39.414 -117.439,39.687 -116.523,39.687 -111.76,44.45 -89.916,44.45 -89.516,44.05 -86.336,44.05 -85.936,44.45 -70.231,44.45 -58.42,32.639 ESP32模块.18
SCLK: "G 3 S L I O.4" ESP32模块.11 R28.2 SPI2.4 | length 140.8
  Top Layer w0.254: -118.395,8.332 -118.385,8.321 v1(-116.047,8.321) -116.047,8.699 R28.2 ; v1(-111.887,7.747) -111.887,5.715 -110.49,4.318 -88.265,4.318 -85.852,6.731 -85.852,14.224 -85.471,14.605 -80.899,14.605 -78.105,17.399 ESP32模块.11 -75.975,17.174 -71.022,17.174 -70.485,16.637 -70.485,9.017 -68.453,6.985 v1(-54.61,6.985) ; SPI2.4 -11.779,9.525 v1(-9.906,9.525)
  Bottom Layer w0.254: v1(-116.047,8.321) -115.959,8.321 -115.385,7.747 v1(-111.887,7.747) ; v1(-54.61,6.985) -44.958,6.985 -42.164,4.191 -9.779,4.191 -8.382,5.588 -8.382,9.017 -8.89,9.525 v1(-9.906,9.525)
SS1: "G 3 S L I O.3" ESP32模块.10 R27.2 | length 58.2
  Top Layer w0.254: -118.395,9.582 -118.122,9.855 -116.926,9.855 -116.545,10.236 -116.545,10.575 -116.272,10.848 R27.2 ; v1(-110.998,9.779) -110.998,5.969 -110.109,5.08 -88.646,5.08 -86.741,6.985 -86.741,14.732 -85.979,15.494 -82.677,15.494 -78.232,19.939 ESP32模块.10
  Bottom Layer w0.254: v1(-116.301,10.48) -115.6,9.779 v1(-110.998,9.779)
SS2: ESP32模块.25 R31.2 SPI2.3 | length 48.7
  Top Layer w0.254: v1(-13.462,8.382) R31.2 -11.949,8.382 SPI2.3
  Bottom Layer w0.254: v1(-51.562,14.859) -41.656,4.953 -14.097,4.953 -13.462,5.588 v1(-13.462,8.382)
TX1: "G 3.3 RX1 TX1.4" ESP32模块.15 | length 45.6
  Top Layer w0.254: v1(-33.782,45.593) -14.157,45.593 -12.951,44.387 -12.951,44.044 -12.678,43.771 -12.336,43.771
  Bottom Layer w0.254: v1(-52.07,40.132) -50.419,40.132 -49.784,40.767 -49.784,45.212 -49.403,45.593 v1(-33.782,45.593)
TX2: "G 3.3 TX2 RX2.3" ESP32模块.17 | length 70.8
  Top Layer w0.254: -117.712,40.664 -117.439,40.937 -116.543,40.937 -112.395,45.085 -89.535,45.085 -89.008,44.558 -86.887,44.558 -86.338,45.107 -69.618,45.107 -59.69,35.179 ESP32模块.17
VCC: 78M05.1 "12v 12v 12v G G G.1" "12v 12v 12v G G G.2" "12v 12v 12v G G G.3" "G G G 12v 12v 12v.1" "G G G 12v 12v 12v.2" "G G G 12v 12v 12v.3" BTN1.7 BTN2.7 BTN3.7 BTN4.7 BTN5.7 BTN6.7 C1.2 C2.1 TB_PWR.1 | length 277.5
  Top Layer w1: TB_PWR.1 -62.437,26.242 -61.501,27.178 v1(-58.039,27.178) ; C2.1 -35.511,4.572 -34.925,5.158 -34.925,6.924
  Top Layer w2: -96.927,42.926 -96.914,42.913 v2(-94.186,42.913) v2@-93.472,42.913 ; -96.888,17.513 v2(-94.313,17.513) v2@-93.726,17.513 ; -96.787,30.213 v2(-94.186,30.213) v2@-93.726,30.213 ; -36.068,20.307 v2(-33.353,20.307) v2@-33.02,20.307 ; -35.928,7.353 v2(-33.226,7.353) v2@-32.893,7.353 ; -35.801,33.134 v2(-33.226,33.134) v2@-32.766,33.134
  Bottom Layer w1: v1(-58.039,27.178) -58.001,27.14 C1.2 ; 78M05.1 -57.228,26.519 -56.642,27.105
  Bottom Layer w2: -100.38,47.987 -100.282,47.889 -100.282,45.72 ; -100.282,17.767 -100.028,17.513 v2(-94.313,17.513) v2@-93.726,17.513 ; -100.282,30.213 v2(-94.186,30.213) v2@-93.726,30.213 ; -100.282,42.913 v2(-94.186,42.913) v2@-93.599,42.913 ; -35.039,20.307 v2(-33.353,20.307) -29.223,20.307 -29.083,20.447 ; -34.658,7.353 v2(-33.226,7.353) -29.324,7.353 -29.083,7.112 ; -34.29,33.134 v2(-33.226,33.134) -29.35,33.134 -29.083,33.401 ; -32.16,47.987 -29.62,47.987
  Bottom Layer w3: TB_PWR.1 -62.437,14.398 -65.532,11.303 -81.661,11.303 -82.552,12.194 -97.892,12.194 -100.282,14.584 -100.282,17.767 -100.282,30.213 -100.282,42.913 -100.282,45.72 -98.015,47.987 -97.84,47.987 -95.3,47.987 -95.286,48.001 -34.714,48.001 -34.7,47.987 -32.16,47.987 -29.083,44.91 -29.083,33.401 -29.083,20.447 -29.083,7.112
pads on no net: "G 3 S L I O.0" "G 3.3 RX1 TX1.0" "G 3.3 TX2 RX2.0" BTN1.4 BTN2.4 BTN3.4 BTN4.4 BTN5.4 BTN6.4 ESP32模块.1 ESP32模块.2 ESP32模块.3 SPI2.0 TB_MOT1.0 TB_MOT2.0 TB_PWR.0

## Polygon pours and split planes (outlines as drawn)
GND on Bottom Layer "GND_L02_P000" (solid, pour order 0): -130.048,0 -0.127,0 -0.127,50.038 -129.921,50.038 -130.048,49.911
GND on Top Layer "GND_L01_P001" (solid, pour order 1): -130.048,0 0,0 0,50.038 -130.048,50.038

## Silkscreen, mask and mechanical layers (free items; w line width, h text height)
Top Overlay:
  text "IO23 IO18" at -113.538,42.799 h1 r270
  text "IO19 IO22" at -16.256,40.005 h1 r90
  text "SPI1" at -128.905,10.795 h1 r270
  text "G 3 S L I O" at -4.826,4.191 h1 r90
Top Solder:
  lines w2: -96.914,7.734 -96.472,7.734 -94.247,7.734 -94.387,7.874 ; -96.888,17.513 -94.313,17.513 -93.612,17.513 ; -96.888,20.434 -96.345,20.434 -93.993,20.434 ; -96.888,33.134 -96.472,33.134 -94.12,33.134 ; -96.888,42.913 -94.186,42.913 -93.485,42.913 ; -96.634,30.213 -94.186,30.213 -93.739,30.213 ; -36.309,30.086 -35.766,30.086 -33.414,30.086 ; -36.182,20.307 -33.353,20.307 -32.626,20.307 ; -35.928,7.353 -33.226,7.353 -32.906,7.353 ; -35.928,16.878 -35.639,16.878 -33.287,16.878 ; -35.801,42.659 -35.512,42.659 -33.033,42.659 ; -35.674,33.134 -33.226,33.134 -32.88,33.134
  lines w3: -114.92,21.656 -114.92,18.4 -112.903,16.383 -108.839,16.383 ; -114.92,25.156 -108.722,25.156 ; -114.92,28.656 -114.92,31.892 -112.776,34.036 -108.712,34.036 ; -22.977,25.156 -15.159,25.156 ; -22.733,33.909 -16.891,33.909 -15.494,32.512 -15.494,32.293 -15.159,31.958 -15.159,28.656 ; -21.082,16.129 -17.145,16.129 -16.129,17.145 -15.159,18.115 -15.159,21.656
Bottom Solder:
  lines w1: -72.39,14.351 -72.136,14.605 -72.136,16.002
  lines w2: -105.479,48.006 -103.632,48.006 ; -100.38,1.987 -95.3,1.987 ; -100.33,17.513 -94.313,17.513 -93.739,17.513 ; -99.835,30.213 -99.822,30.2 ; -99.2,30.213 -94.186,30.213 -93.713,30.213 ; -98.92,42.913 -94.186,42.913 -93.612,42.913 ; -96.888,20.434 -96.345,20.434 -86.601,20.434 ; -96.472,33.134 -85.865,33.134 ; -50.546,2.286 -50.546,2.794 -49.53,3.81 -49.53,4.572 ; -50.337,1.987 -29.62,1.987 ; -49.403,4.445 -47.752,4.445 ; -46.508,19.304 -44.082,16.878 -35.639,16.878 ; -43.421,42.659 -35.512,42.659 ; -43.294,30.086 -35.766,30.086 ; -34.531,20.307 -33.353,20.307 -30.62,20.307 ; -34.417,7.353 -29.35,7.353 -33.226,7.353 ; -33.896,33.134 -30.086,33.134 -33.226,33.134 ; -26.27,47.987 -24.54,47.987 -4.68,47.987 ; -14.684,2.146 -4.051,2.146 -3.53,2.667 ; -3,46.987 -3,46.561 -1.397,44.958 -1.397,5.207 -2.54,4.064
  lines w3: -128.524,4.511 -128.524,14.732 ; -127,46.987 -126.622,46.987 -125.603,48.006 -105.479,48.006 -105.46,47.987 ; -125.73,48.006 -125.73,47.879 -126.873,46.736 -127,46.736 -128.524,45.212 -128.524,14.732 ; -100.33,15.875 -100.33,14.605 -99.187,13.462 -97.917,12.192 -82.55,12.192 -82.296,11.938 -82.296,11.811 -81.788,11.303 -65.659,11.303 -65.405,11.557 -65.278,11.557 -62.437,14.398 -62.437,15.448 ; -100.33,17.513 -100.33,45.72 -98.044,48.006 -92.837,48.006 -32.131,48.006 -29.083,44.958 -29.083,7.112 ; -96.424,2.54 -96.472,2.588 -96.472,7.734 -100.724,7.734 -100.737,7.747 -101.346,7.747 -108.585,14.986 -128.27,14.986 -128.524,14.732 ; -96.012,2.286 -50.546,2.286 ; -85.852,33.147 -85.852,17.145 -69.215,17.145 -67.691,15.621 -67.564,15.621 -67.183,16.002 -67.183,17.653 -65.278,19.558 -58.928,19.558 -57.531,18.161 -57.531,11.303 -65.913,2.921 -65.913,2.54 ; -58.928,19.812 -44.704,19.812 ; -44.704,16.764 -44.704,19.812 ; -43.815,42.037 -44.704,41.148 -44.704,19.812
Mechanical 1:
  lines w0.3: 0,49.911 0,0 -130,0 -130,49.987 0,49.987

## Text inside footprints (layer, text, board x,y; h text height)
ESP32模块: Top Overlay "3V" at -54.243,48.401 h2 r270; Top Overlay "GND" at -77.23,9.92 h2 r270
TB_PWR: Bottom Overlay "+" at -56.433,16.102 h2 r270; Bottom Overlay "-" at -74.896,17.892 h2 r180